# Altium PCB Copy of dv_cm.PcbDoc (part 1 of 2)
Units mm, origin at the board's own origin, x right, y up, seen from the top; angles counter-clockwise.
Board outline 86 x 62 mm, 4 copper layers (Top Layer, Ground, Power, Bottom Layer), stack 1.781 mm thick; 131 components, 165 nets, 728 pads, 195 vias.
Unrouted connection lines stored in the file: 14.
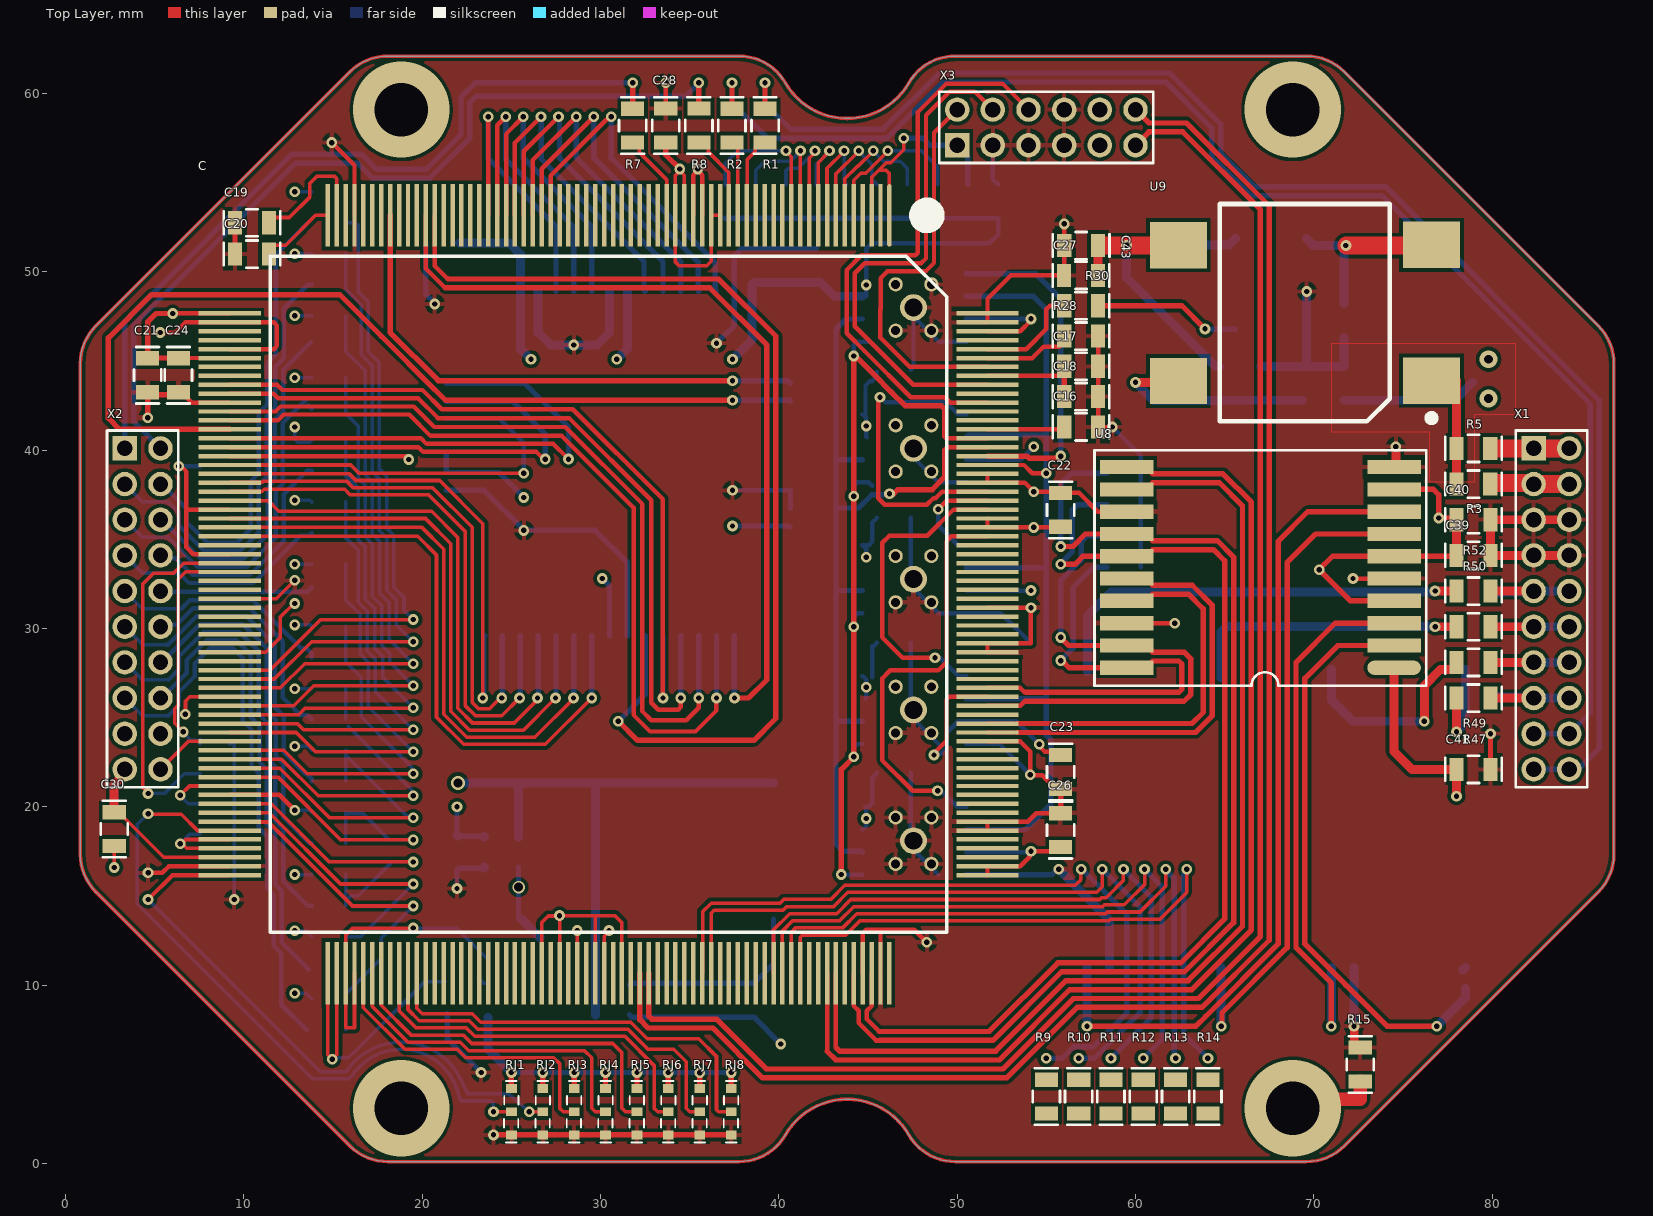
[diagram p0: Top Layer view]
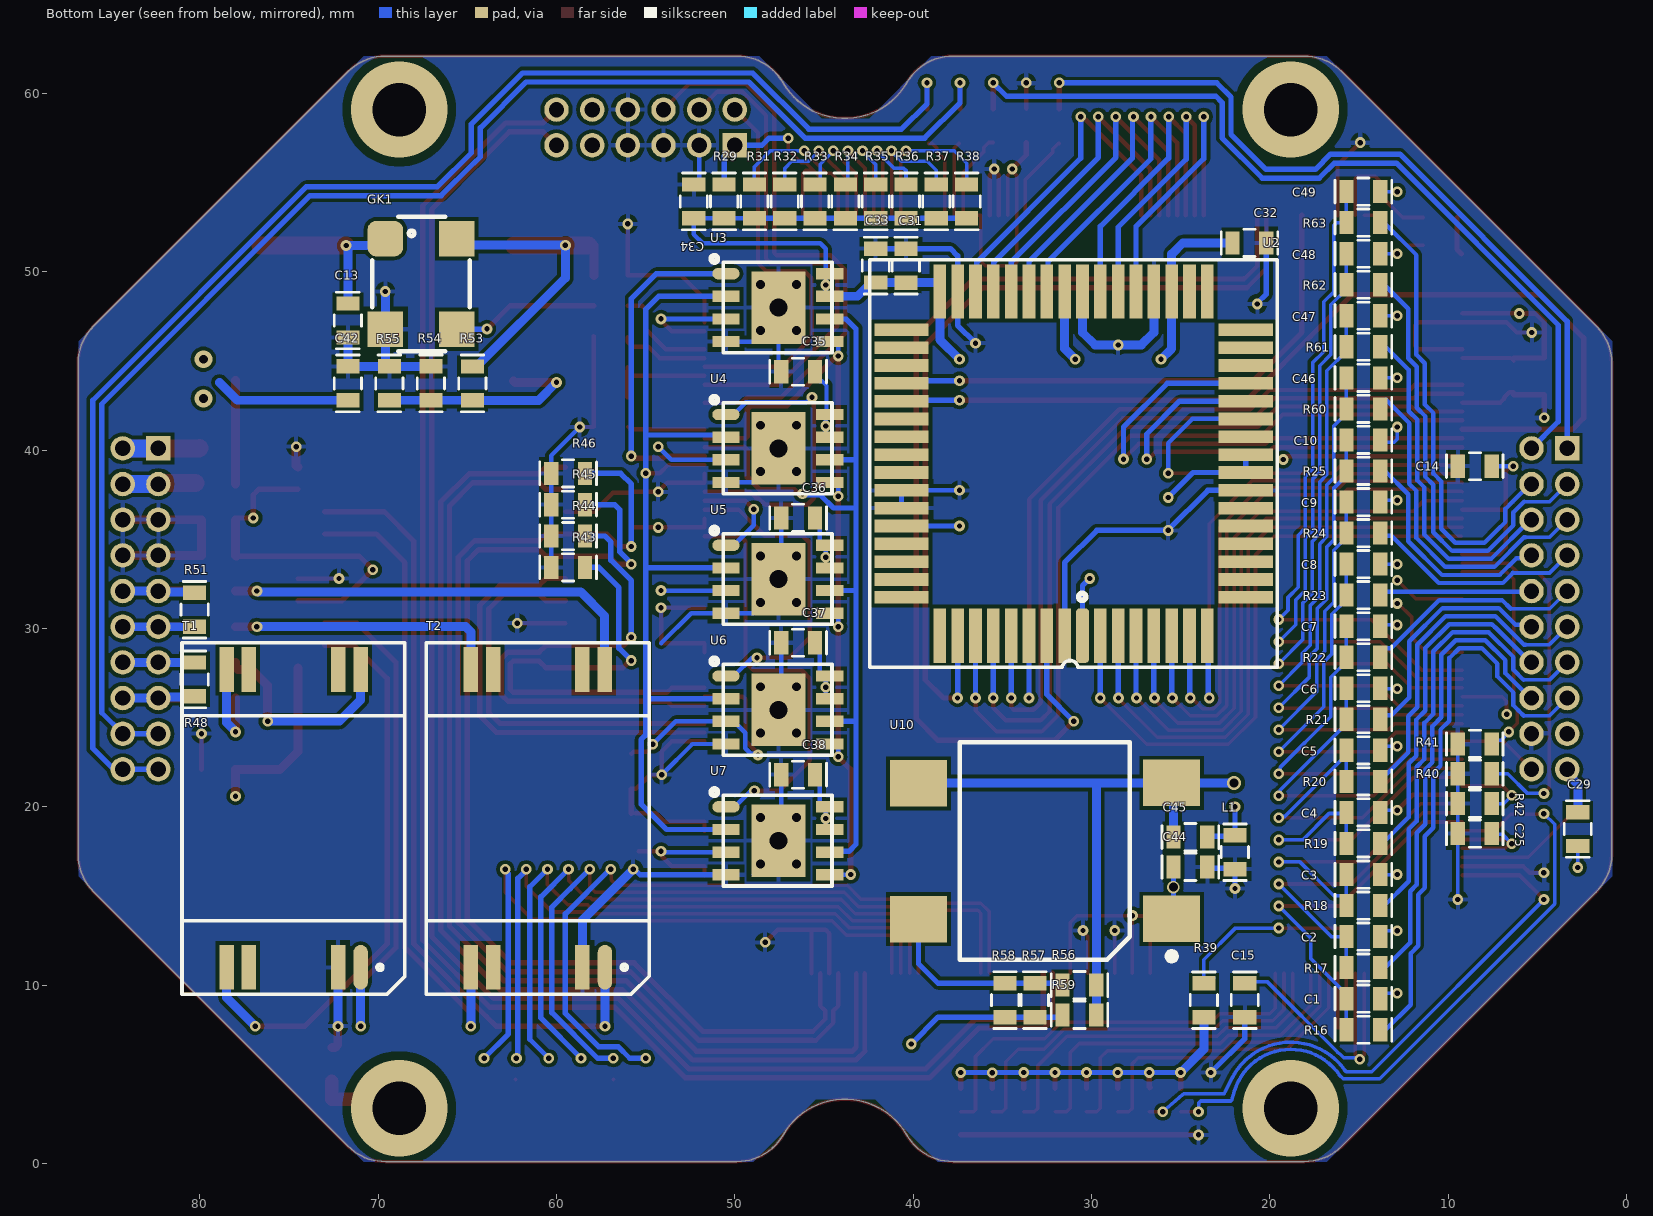
[diagram p1: Bottom Layer view, seen from below]
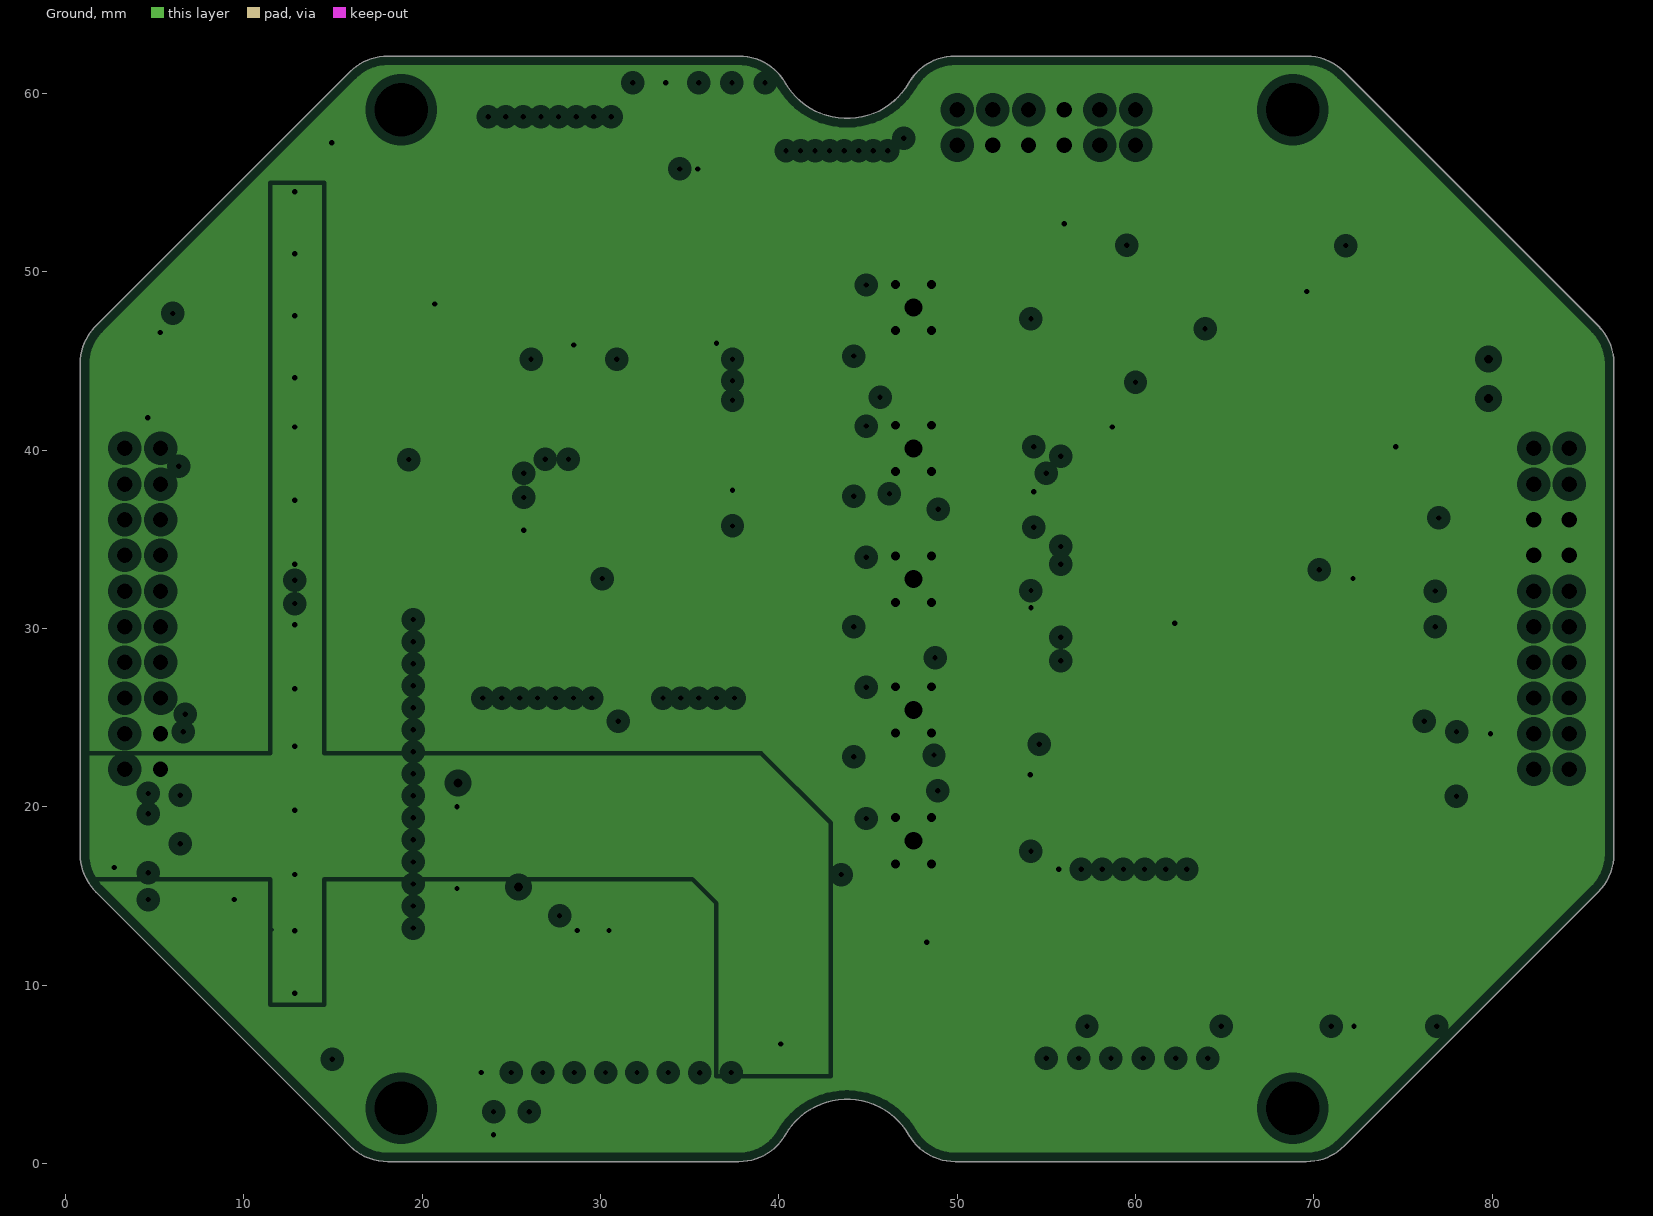
[diagram p2: Ground, clearances drawn from the general rule]
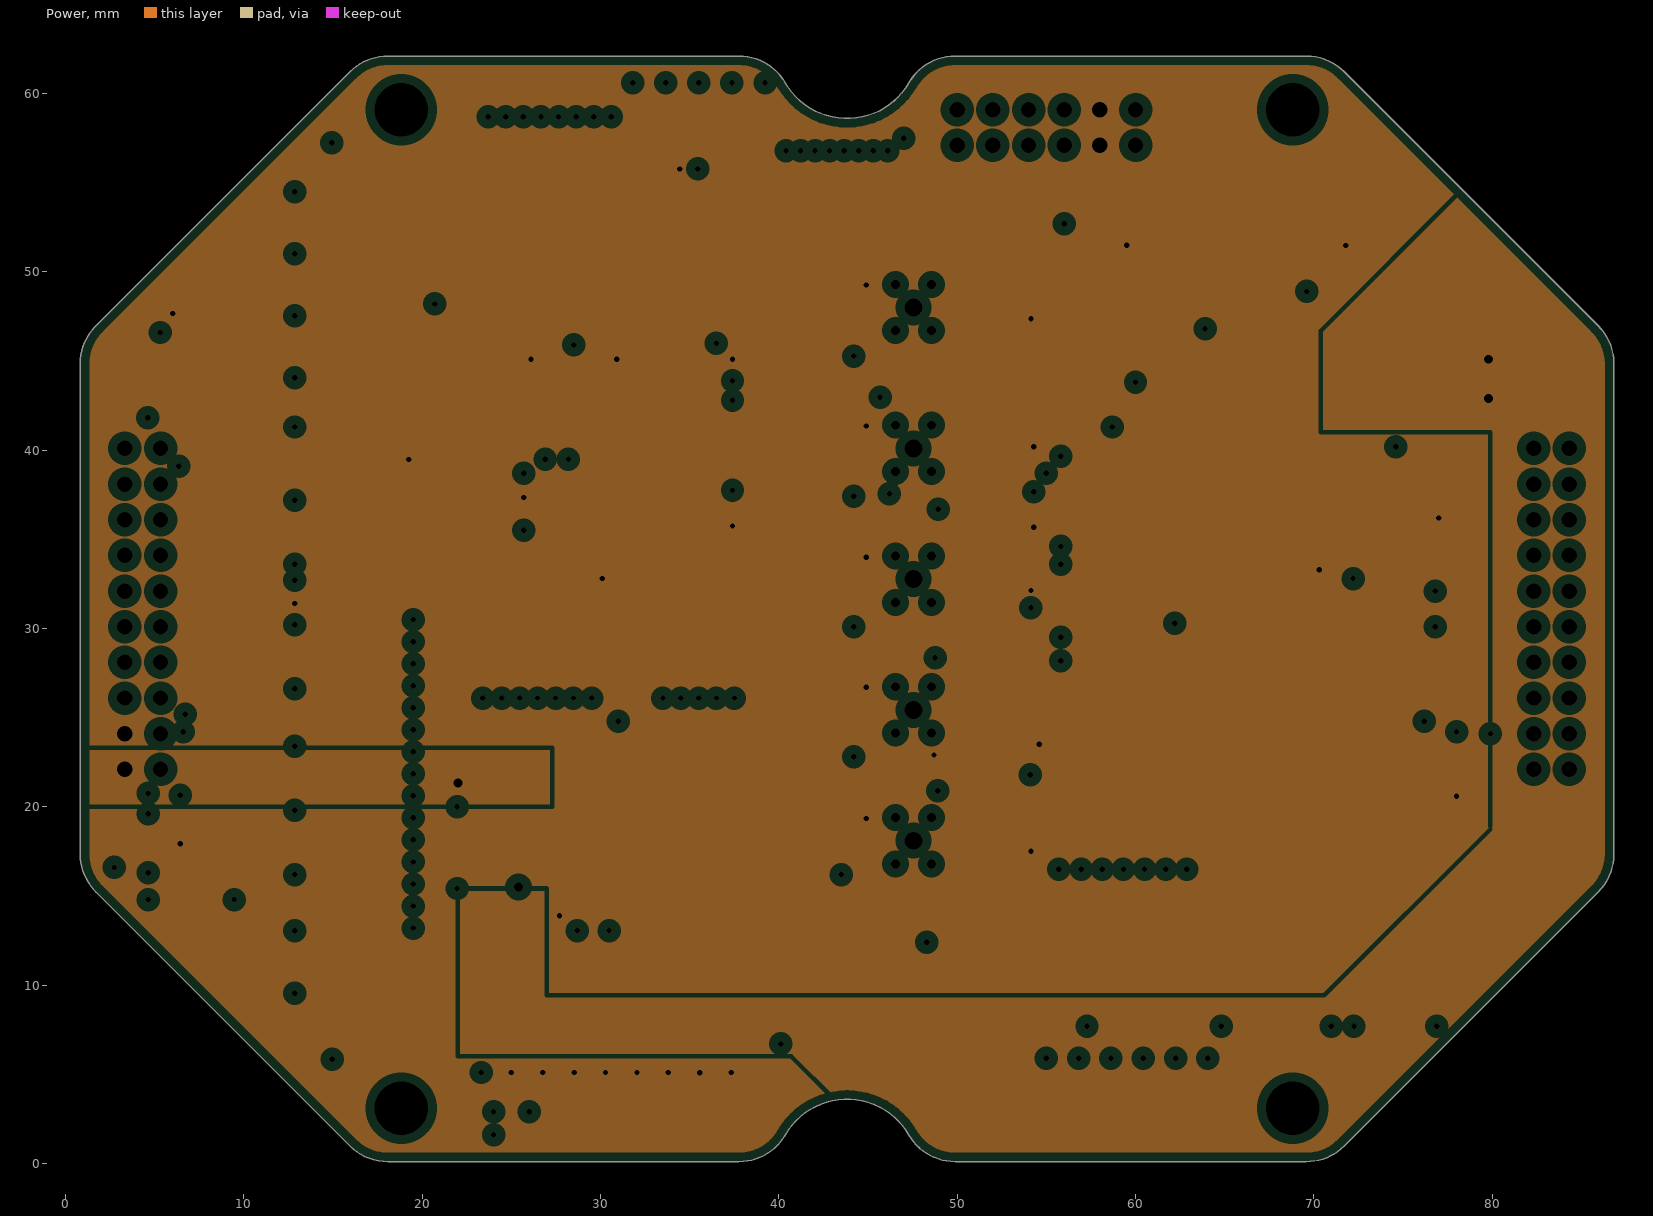
[diagram p3: Power, clearances drawn from the general rule]

## Layer stack, top to bottom
Top Solder: solder mask 0.0254, SM-001, Dk 4
Top Layer: signal copper 0.035
Dielectric 2: prepreg 0.0711, PP-006, Dk 4.1
Ground: plane copper 0.035, net (Multiple Nets)
Dielectric 1: core 1.4986, Core-043, Dk 4.3
Power: plane copper 0.035, net (Multiple Nets)
Dielectric 3: prepreg 0.0711, PP-006, Dk 4.1
Bottom Layer: signal copper 0.035
Bottom Solder: solder mask 0.0254, SM-001, Dk 4

## Board outline
15.945,0.979 ccw(c18.066,3.1) 18.066,0.1 37.761,0.1 ccw(c37.761,3.1) 40.359,1.6 cw(c43.824,-0.4) 47.288,1.6 ccw(c49.886,3.1) 49.886,0.1 69.581,0.1 ccw(c69.581,3.1) 71.702,0.979 85.945,15.221 ccw(c83.824,17.343) 86.824,17.343 86.824,44.857 ccw(c83.824,44.857) 85.945,46.979 71.702,61.221 ccw(c69.581,59.1) 69.581,62.1 49.886,62.1 ccw(c49.886,59.1) 47.288,60.6 cw(c43.824,62.6) 40.359,60.6 ccw(c37.761,59.1) 37.761,62.1 18.066,62.1 ccw(c18.066,59.1) 15.945,61.221 1.702,46.979 ccw(c3.824,44.857) 0.824,44.857 0.824,17.343 ccw(c3.824,17.343) 1.702,15.221

## Design rules (kind name [scope] priority, off if disabled: settings)
Clearance [All] p1: gap=0.2 ignorepadtopadclearanceinfootprint=FALSE
ComponentClearance [All] p1: gap=0 collisioncheckmode=3 verticalgap=0.2 showdistances=FALSE
DiffPairsRouting [All] p1: maxlimit=0.5 minlimit=0.2 mostfreqgap=0.3 toplayer_minwidth=0.2 toplayer_maxwidth=1 toplayer_prefwidth=0.3 bottomlayer_minwidth=0.2 bottomlayer_maxwidth=1 bottomlayer_prefwidth=0.3 maxuncoupledlength=10
HoleSize [All] p1: absolutevalues=TRUE maxlimit=7 minlimit=0.5 maxpercent=80.000 minpercent=20.000
NetAntennae [All] p1 off: netantennaetolerance=0
PlaneClearance [All] p1: clearance=0.508
PlaneConnect [All] p1: planeconnectstyle=Relief reliefexpansion=0.508 reliefentries=4 reliefconductorwidth=0.254 reliefairgap=0.254
PolygonConnect "Mechanical Hole" [(ObjectKind = 'Via') And (AsMM(HoleDiameter) > 1.5) vs IsPoly] p1: connectstyle=Direct reliefconductorwidth=0.254 reliefentries=4 polygonreliefangle="90 Angle" airgapwidth=0.254
PolygonConnect [All] p2: connectstyle=Relief reliefconductorwidth=0.254 reliefentries=4 polygonreliefangle="90 Angle" airgapwidth=0.254
RoutingVias [All] p1: holewidth=0.3 width=0.6 viastyle="Through Hole" minholewidth=0.2 minwidth=0.4 maxholewidth=4 maxwidth=5 useviatemplates=TRUE viatemplateguid#1={C3F623B5-F175-48D5-86BE-D9FF69740B49} viatemplatename#1=v60h30
SilkToSilkClearance [All] p1: silktosilkclearance=0.2
SilkToSolderMaskClearance SilkToSolderMaskClearance_1 [IsPad] p1: minsilkscreentomaskgap=0.254 clearancetoexposedcopper=TRUE
SilkToSolderMaskClearance [IsPad] p2: minsilkscreentomaskgap=0.2 clearancetoexposedcopper=TRUE
SolderMaskExpansion [All] p1: expansion=0.102 istentingtop=FALSE
Width [All] p1: maxlimit=2 minlimit=0.2 preferedwidth=0.2
22 further rules are at their usual default settings.

## Classes and differential pairs
component class dv_mcu: R1 R2 R3 R5 R7 R8 R9 R10 R11 R12 R13 R14 R15 X1 X2 X3
component class LPF_ADC14: C49 R63
component class LPF_ADC13: C48 R62
component class LPF_ADC12: C47 R61
component class LPF_ADC11: C46 R60
channel class dv_mcu_analog_lpf: LPF_ADC1 LPF_ADC2 LPF_ADC3 LPF_ADC4 LPF_ADC5 LPF_ADC6 LPF_ADC7 LPF_ADC8 LPF_ADC9 LPF_ADC10 LPF_ADC11 LPF_ADC12 LPF_ADC13 LPF_ADC14 LPF_DAC1 LPF_DAC2
net class ADC_IN_[0..13]: ADC_IN_0 ADC_IN_1 ADC_IN_2 ADC_IN_3 ADC_IN_4 ADC_IN_5 ADC_IN_6 ADC_IN_7 ADC_IN_8 ADC_IN_9 ADC_IN_10 ADC_IN_11 ADC_IN_12 ADC_IN_13
net class ADC_[0..13]: ADC_0 ADC_1 ADC_2 ADC_3 ADC_4 ADC_5 ADC_6 ADC_7 ADC_8 ADC_9 ADC_10 ADC_11 ADC_12 ADC_13
component class power: C42 C43 C44 C45 L1 R53 R54 R55 R56 R57 R58 R59 U9 U10
component class MPI_driver: C39 C40 C41 R43 R44 R45 R46 R47 R48 R49 R50 R51 R52 T1 T2 U8
component class Memory: C31 C32 C33 C34 C35 C36 C37 C38 U2 U3 U4 U5 U6 U7
component class MCU: C13 C14 C15 C16 C17 C18 C19 C20 C21 C22 C23 C24 C25 C26 C27 C28 C29 C30 GK1 R28 R29 R30 R31 R32 R33 R34 R35 R36 R37 R38 R39 R40 R41 R42 RJ1 RJ2 RJ3 RJ4 RJ5 RJ6 RJ7 RJ8 С
component class LPF_ADC10: C10 R25
component class LPF_ADC9: C9 R24
component class LPF_ADC8: C8 R23
component class LPF_ADC7: C7 R22
component class LPF_ADC6: C6 R21
component class LPF_ADC5: C5 R20
component class LPF_ADC4: C4 R19
component class LPF_ADC3: C3 R18
component class LPF_ADC2: C2 R17
component class LPF_ADC1: C1 R16
differential pair UART: +UART_RX_DBG -UART_TX_DBG
differential pair MILA_TX: +MILA_TX_P -MILA_TX_N
differential pair MILA_RX: +MILA_RX_P -MILA_RX_N
differential pair MILB_RX: +MILB_RX_P -MILB_RX_N
differential pair MILB_TX: +MILB_TX_P -MILB_TX_N

## Components (designator, comment, footprint, x,y, rotation, side; value= is the part's Value field where it differs from the comment)
C1 "1мкФ" SMD_0805 13.8,9.241 r0 bottom (schematic designator C30)
C2 "1мкФ" SMD_0805 13.8,12.722 r0 bottom (schematic designator C30)
C3 "1мкФ" SMD_0805 13.8,16.204 r0 bottom (schematic designator C30)
C4 "1мкФ" SMD_0805 13.8,19.685 r0 bottom (schematic designator C30)
C5 "1мкФ" SMD_0805 13.8,23.167 r0 bottom (schematic designator C30)
C6 "1мкФ" SMD_0805 13.8,26.648 r0 bottom (schematic designator C30)
C7 "1мкФ" SMD_0805 13.8,30.13 r0 bottom (schematic designator C30)
C8 "1мкФ" SMD_0805 13.8,33.611 r0 bottom (schematic designator C30)
C9 "1мкФ" SMD_0805 13.8,37.093 r0 bottom (schematic designator C30)
C10 "1мкФ" SMD_0805 13.8,40.574 r0 bottom (schematic designator C30)
C13 "0,1мкФ" SMD_0805 71.7,46.323 r90 bottom (schematic designator C1)
C14 "10мкФ" SMD_0805 9.455,39.1 r180 bottom (schematic designator C2)
C15 "0,1мкФ" SMD_0805 21.4,8.2 r90 bottom (schematic designator C3)
C16 "0,1мкФ" SMD_0805 57.9,41.305 r180 top (schematic designator C4)
C17 "10мкФ" SMD_0805 57.9,44.703 r180 top (schematic designator C6)
C18 "0,1мкФ" SMD_0805 57.9,43.004 r180 top (schematic designator C7)
C19 "0,1мкФ" SMD_0805 9.5,52.75 r0 top (schematic designator C8)
C20 "0,1мкФ" SMD_0805 9.5,51 r0 top (schematic designator C9)
C21 "10мкФ" SMD_0805 4.6,43.25 r90 top (schematic designator C10)
C22 "0,1мкФ" SMD_0805 55.8,37.6 r270 top (schematic designator C11)
C23 "0,1мкФ" SMD_0805 55.8,21 r90 top (schematic designator C12)
C24 "0,1мкФ" SMD_0805 6.322,43.25 r90 top (schematic designator C13)
C25 "10мкФ" SMD_0805 9.455,18.502 r180 bottom (schematic designator C14)
C26 "0,1мкФ" SMD_0805 55.8,19.644 r270 top (schematic designator C15)
C27 "0,1мкФ" SMD_0805 55.995,49.8 r0 top (schematic designator C16)
C28 "0,1мкФ" SMD_0805 33.656,59.155 r270 top (schematic designator C17)
C29 "0,1мкФ" SMD_0805 2.725,17.8 r90 bottom (schematic designator C18)
C30 "0,1мкФ" SMD_0805 2.725,17.8 r90 top (schematic designator C19)
C31 "0,1мкФ" SMD_0805 40.4,49.395 r90 bottom (schematic designator C22)
C32 "0,1мкФ" SMD_0805 22.093,51.619 r180 bottom (schematic designator C23)
C33 "10мкФ" SMD_0805 42.1,51.3 r270 bottom (schematic designator C24)
C34 "0,1мкФ" SMD_0805 52.3,54.905 r270 bottom (schematic designator C25)
C35 "0,1мкФ" SMD_0805 47.4,44.4 r180 bottom (schematic designator C26)
C36 "0,1мкФ" SMD_0805 47.4,36.2 r180 bottom (schematic designator C27)
C37 "0,1мкФ" SMD_0805 47.4,29.2 r180 bottom (schematic designator C28)
C38 "0,1мкФ" SMD_0805 47.4,21.8 r180 bottom (schematic designator C29)
C39 "10мкФ" SMD_0805 79.905,34.099 r180 top (schematic designator C31)
C40 "0,1мкФ" SMD_0805 79.905,36.099 r180 top (schematic designator C32)
C41 "10мкФ" SMD_0805 79.905,22.099 r180 top (schematic designator C33)
C42 "0,1мкФ" SMD_0805 71.7,44.7 r270 bottom (schematic designator C35)
C43 "10мкФ" SMD_0805 56,51.474 r0 top (schematic designator C36)
C44 "0,1мкФ" SMD_0805 23.5,16.626 r0 bottom (schematic designator C38)
C45 "10мкФ" SMD_0805 23.5,18.3 r0 bottom (schematic designator C39)
C46 "1мкФ" SMD_0805 13.8,44.056 r0 bottom (schematic designator C30)
C47 "1мкФ" SMD_0805 13.8,47.537 r0 bottom (schematic designator C30)
C48 "1мкФ" SMD_0805 13.8,51.019 r0 bottom (schematic designator C30)
C49 "1мкФ" SMD_0805 13.8,54.5 r0 bottom (schematic designator C30)
GK1 "" SMD_7050_Crystal_Oscillator 69.6,51.862 r270 bottom
L1 "1мкГн" SMD_0805 21.953,16.5 r90 bottom
R1 "1к" SMD_0805 39.225,57.25 r90 top (schematic designator R41)
R2 "1к" SMD_0805 37.369,57.25 r90 top (schematic designator R42)
R3 "0" SMD_0805 78,38.1 r0 top (schematic designator R45)
R5 "0" SMD_0805 78,40.1 r0 top (schematic designator R47)
R7 "1к" SMD_0805 31.8,57.25 r90 top (schematic designator R43)
R8 "1к" SMD_0805 35.512,59.155 r270 top (schematic designator R44)
R9 "1к" SMD_0805 55,2.8 r90 top (schematic designator R34)
R10 "1к" SMD_0805 56.812,2.8 r90 top (schematic designator R35)
R11 "1к" SMD_0805 58.624,2.8 r90 top (schematic designator R36)
R12 "1к" SMD_0805 60.436,2.8 r90 top (schematic designator R37)
R13 "1к" SMD_0805 62.248,2.8 r90 top (schematic designator R38)
R14 "1к" SMD_0805 64.06,2.8 r90 top (schematic designator R39)
R15 "100к" SMD_0805 72.6,4.6 r90 top (schematic designator R33)
R16 "100" SMD_0805 13.8,7.5 r0 bottom
R17 "100" SMD_0805 13.8,10.981 r0 bottom (schematic designator R16)
R18 "100" SMD_0805 13.8,14.463 r0 bottom (schematic designator R16)
R19 "100" SMD_0805 13.8,17.944 r0 bottom (schematic designator R16)
R20 "100" SMD_0805 13.8,21.426 r0 bottom (schematic designator R16)
R21 "100" SMD_0805 13.8,24.907 r0 bottom (schematic designator R16)
R22 "100" SMD_0805 13.8,28.389 r0 bottom (schematic designator R16)
R23 "100" SMD_0805 13.8,31.87 r0 bottom (schematic designator R16)
R24 "100" SMD_0805 13.8,35.352 r0 bottom (schematic designator R16)
R25 "100" SMD_0805 13.8,38.833 r0 bottom (schematic designator R16)
R28 "2к" SMD_0805 57.9,46.402 r180 top (schematic designator R1)
R29 "2к" SMD_0805 50.6,54.905 r270 bottom (schematic designator R2)
R30 "30" SMD_0805 57.9,48.101 r180 top (schematic designator R3)
R31 "1к" SMD_0805 48.9,53 r90 bottom (schematic designator R4)
R32 "1к" SMD_0805 47.2,53 r90 bottom (schematic designator R5)
R33 "NU" SMD_0805 45.5,53 r90 bottom (schematic designator R6)
R34 "1к" SMD_0805 43.8,53 r90 bottom (schematic designator R7)
R35 "NU" SMD_0805 42.1,53 r90 bottom (schematic designator R8)
R36 "1к" SMD_0805 40.4,53 r90 bottom (schematic designator R9)
R37 "NU" SMD_0805 38.7,53 r90 bottom (schematic designator R10)
R38 "NU" SMD_0805 37,53 r90 bottom (schematic designator R11)
R39 "1к" SMD_0805 23.693,8.2 r90 bottom (schematic designator R12)
R40 "120к" SMD_0805 7.55,21.851 r0 bottom (schematic designator R13)
R41 "120к" SMD_0805 7.55,23.525 r0 bottom (schematic designator R14)
R42 "120к" SMD_0805 7.55,20.176 r0 bottom (schematic designator R15)
R43 "5к" SMD_0805 60.3,33.426 r180 bottom (schematic designator R17)
R44 "5к" SMD_0805 60.3,35.184 r180 bottom (schematic designator R18)
R45 "5к" SMD_0805 60.3,36.942 r180 bottom (schematic designator R19)
R46 "5к" SMD_0805 60.3,38.7 r180 bottom (schematic designator R20)
R47 "56" SMD_0805 79.905,26.099 r180 top (schematic designator R21)
R48 "70" SMD_0805 80.3,26.199 r90 bottom (schematic designator R22)